# KiCad board AnalogFNN.kicad_pcb
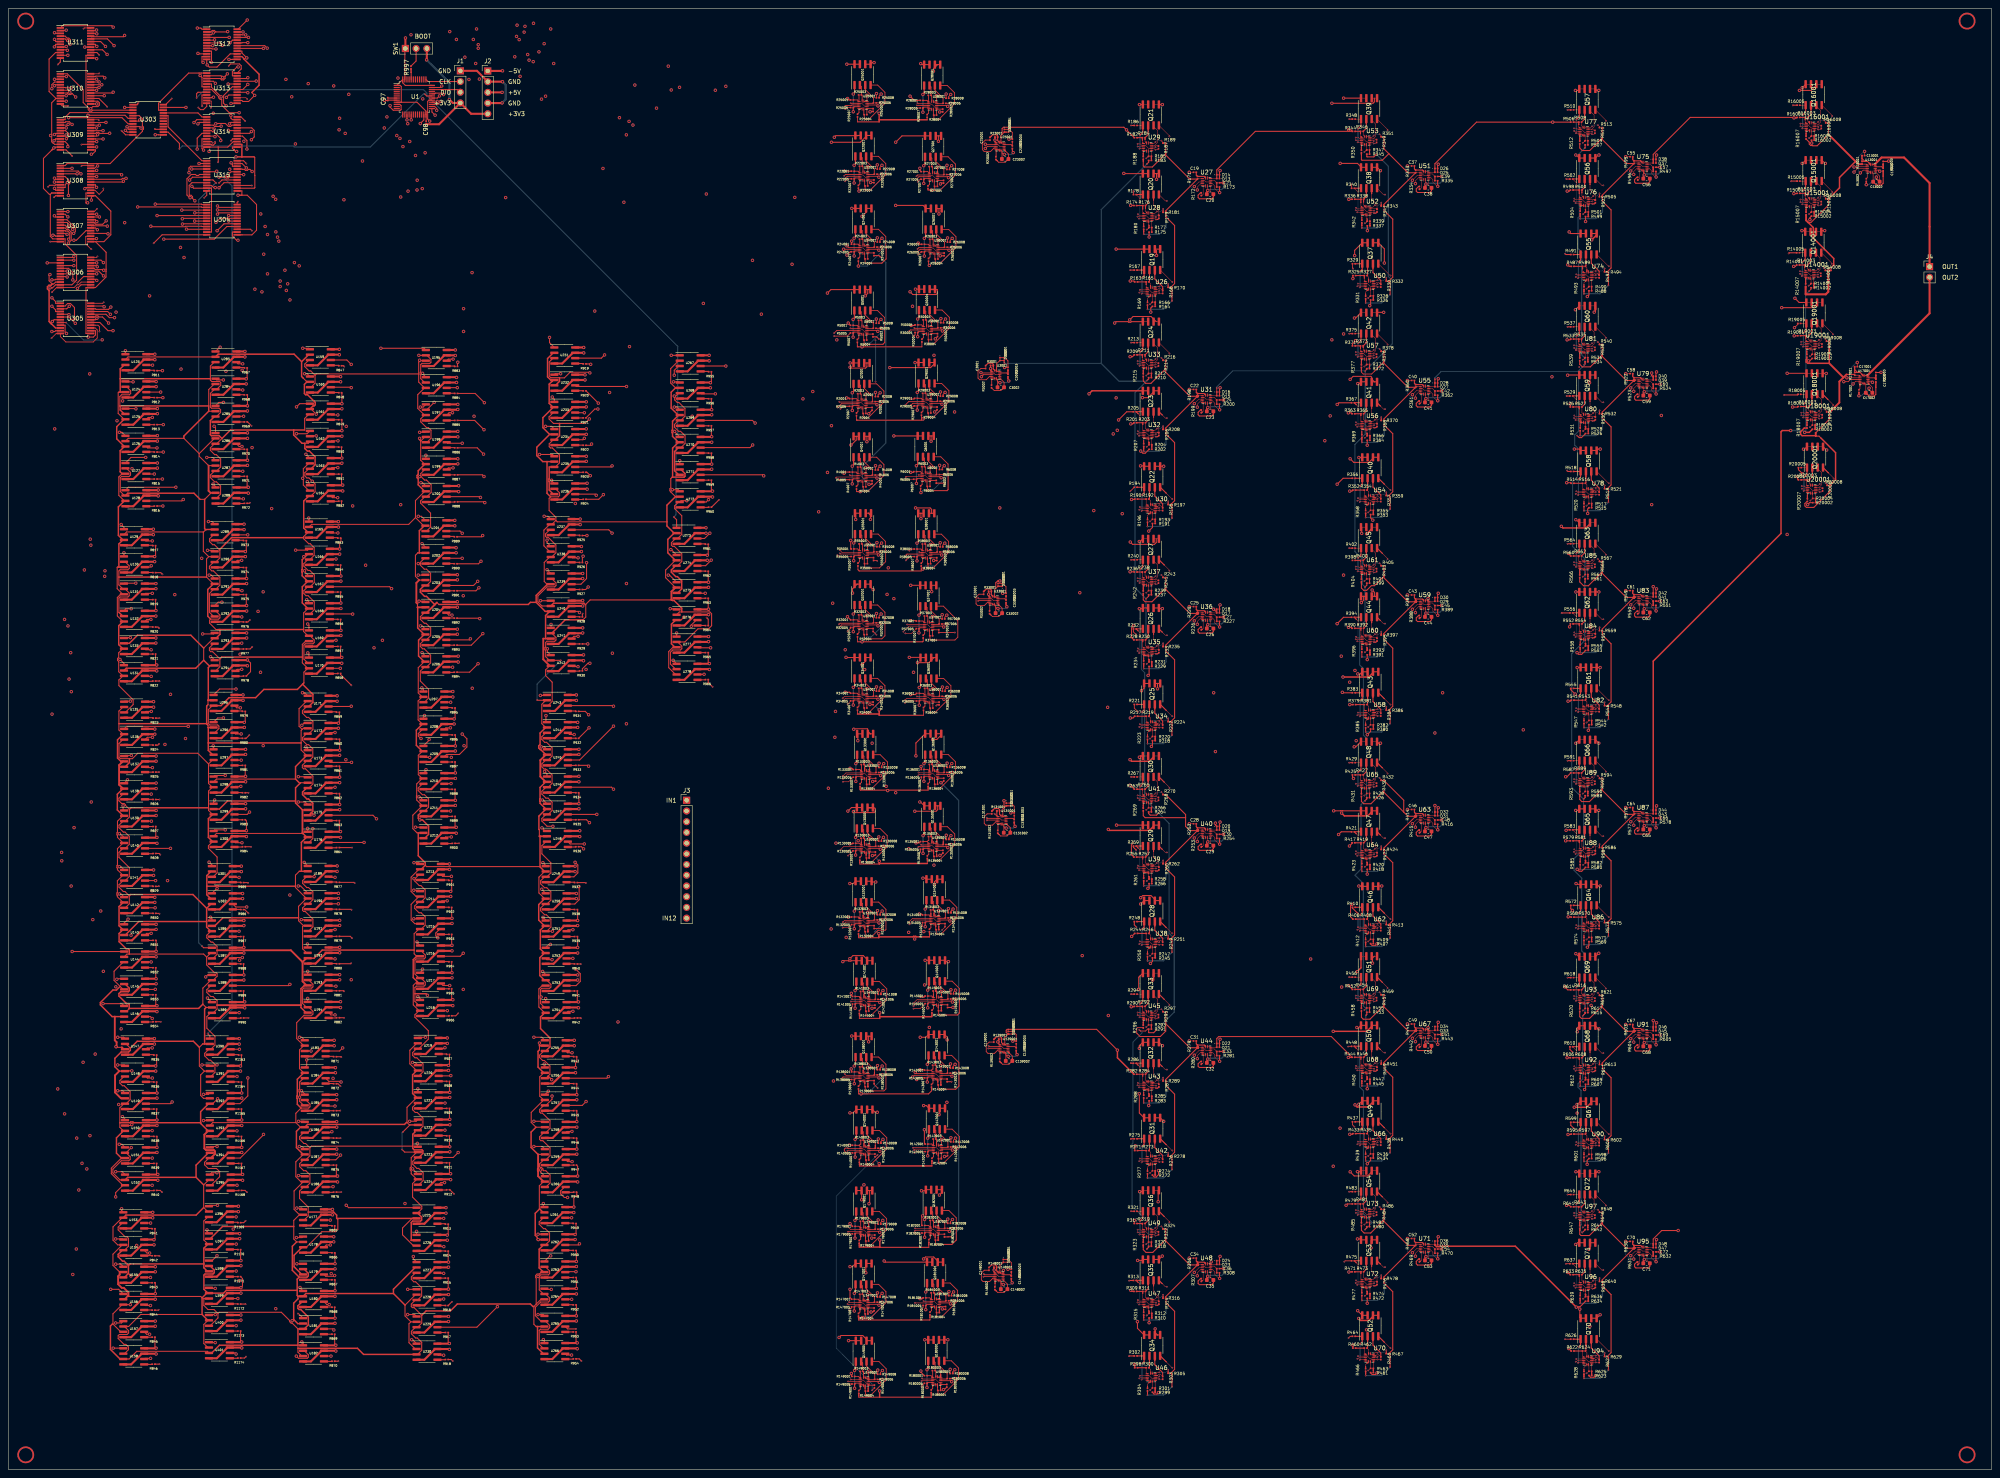
[diagram p0: board, top side]
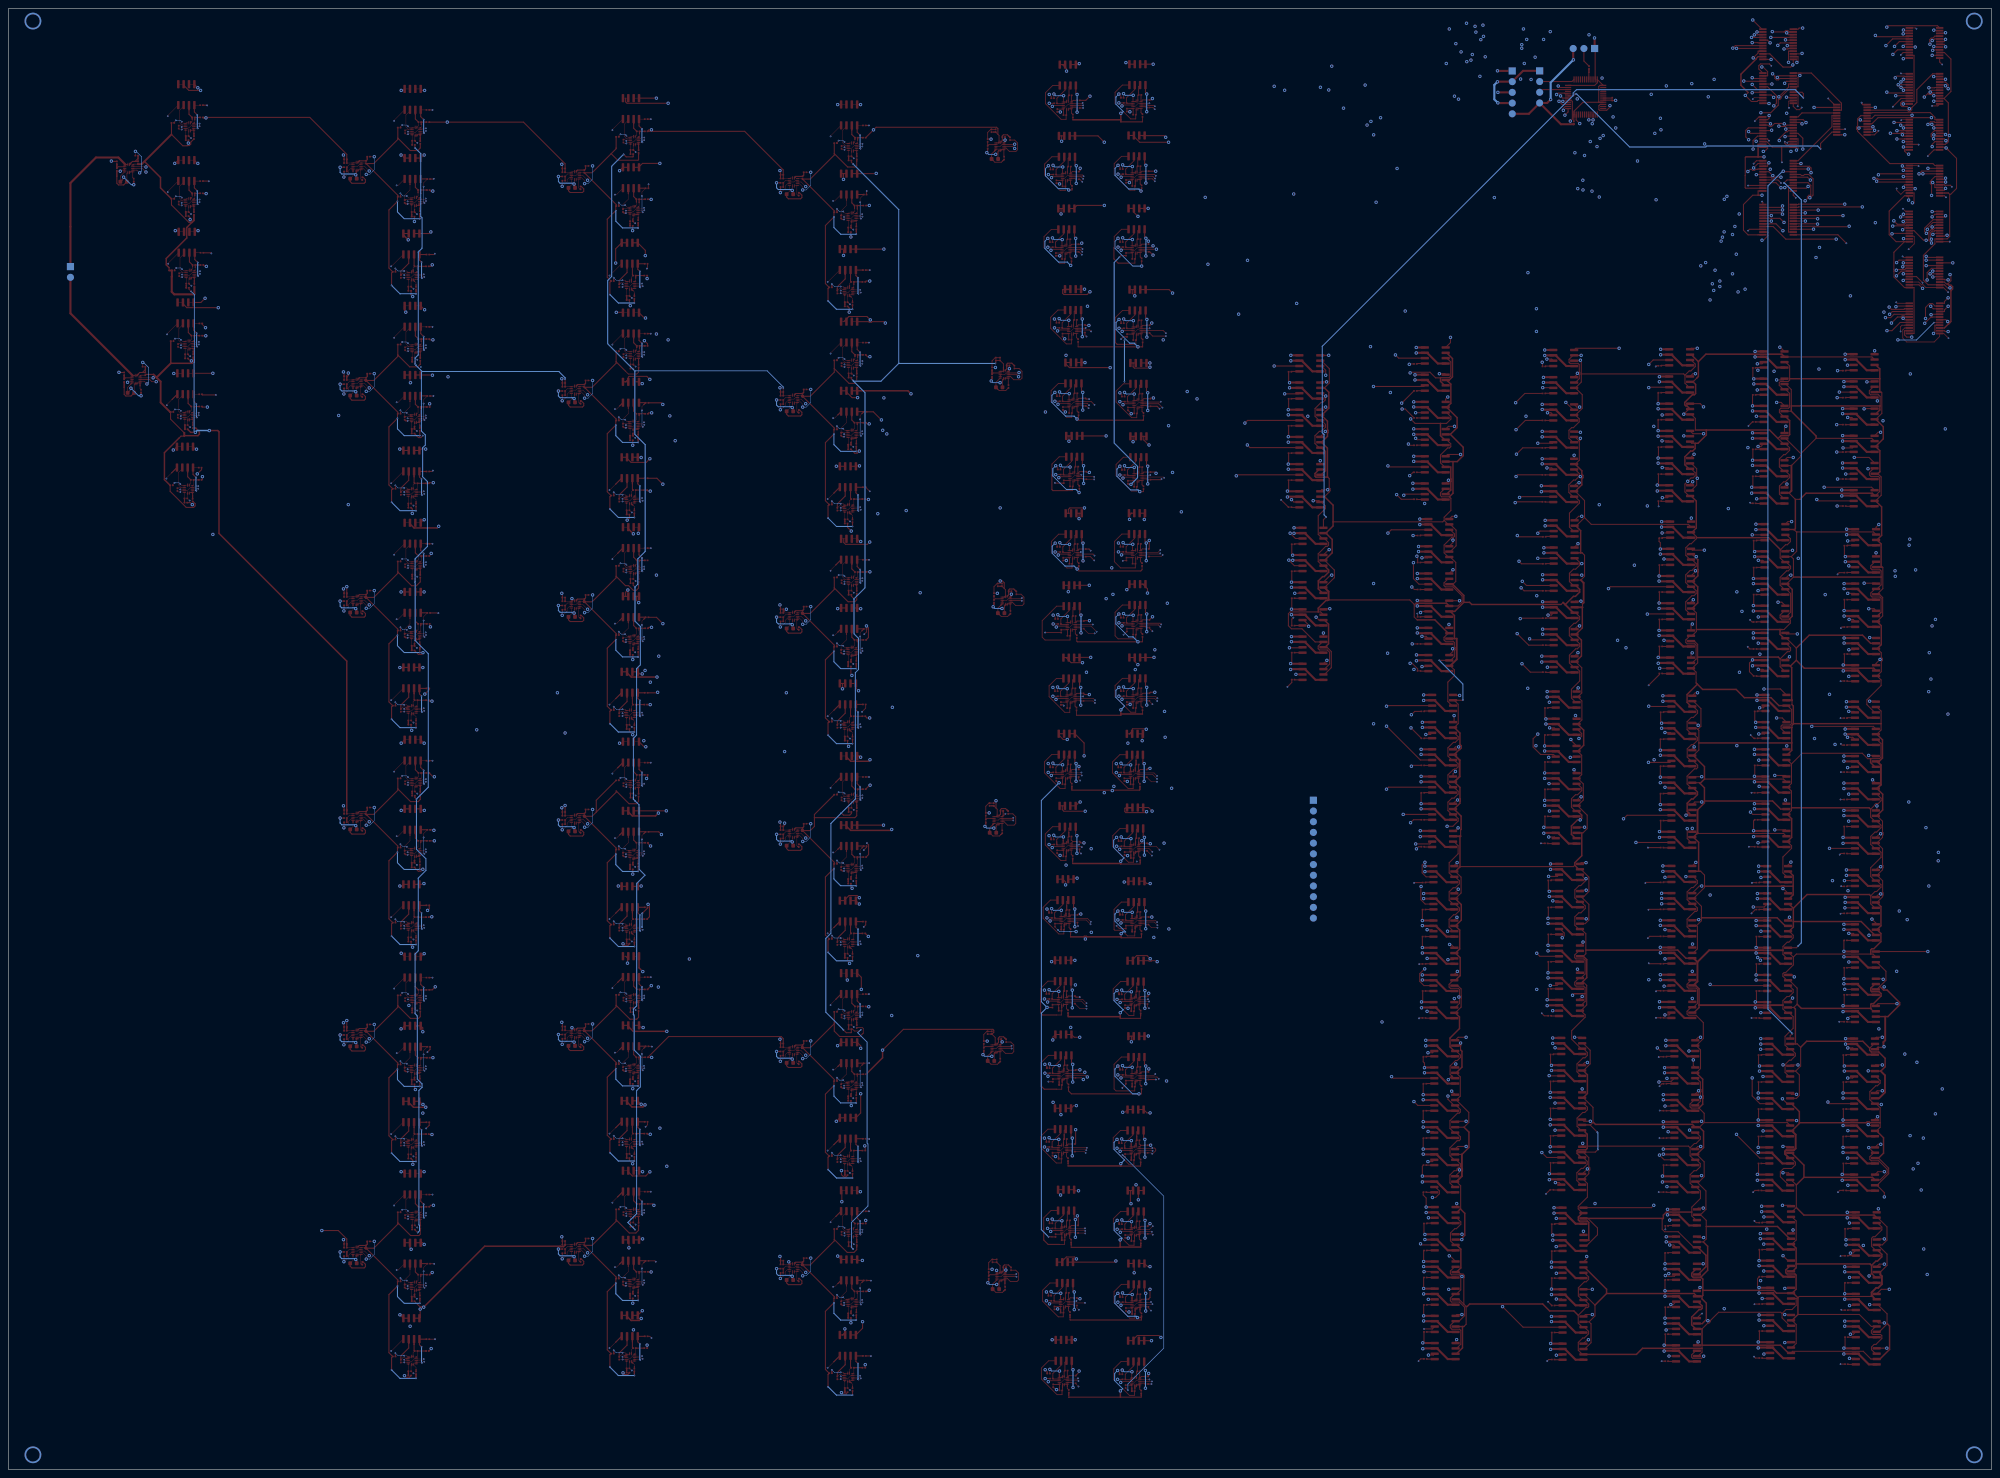
[diagram p1: board, bottom side, seen from below]

Outline 470 x 346.5 mm; copper layers: Top, In1.Cu, 5V_In2.Cu (plane), GND_In3.Cu (plane), Neg5V_In4.Cu (plane), In2.Cu, In3.Cu, In4.Cu, In5.Cu, Bottom. Coordinates in mm from the lower left corner of the outline.
Outline path: rectangle 0,346.5 470,0
Stack: Top 0.035mm / dielectric 0.1mm FR4 er 4.5 / In1.Cu 0.035mm / dielectric 0.1825mm FR4 er 4.5 / 5V_In2.Cu 0.035mm / dielectric 0.1mm FR4 er 4.5 / GND_In3.Cu 0.035mm / dielectric 0.1825mm FR4 er 4.5 / Neg5V_In4.Cu 0.035mm / dielectric 0.1mm FR4 er 4.5 / In2.Cu 0.035mm / dielectric 0.1825mm FR4 er 4.5 / In3.Cu 0.035mm / dielectric 0.1mm FR4 er 4.5 / In4.Cu 0.035mm / dielectric 0.1825mm FR4 er 4.5 / In5.Cu 0.035mm / dielectric 0.1mm FR4 er 4.5 / Bottom 0.035mm

## Placement (name value [footprint] x y rotation side)
C19  4.7u  [C_0201_0603Metric]  281.19 307.65 180 top
C20  47u  [C_0603_1608Metric]  284.79 302.45 180 top
C21  0.1u  [C_0201_0603Metric]  286.69 305.15 180 top
C22  4.7u  [C_0201_0603Metric]  281.19 256.15 180 top
C23  47u  [C_0603_1608Metric]  284.79 250.95 180 top
C24  0.1u  [C_0201_0603Metric]  286.69 253.65 180 top
C25  4.7u  [C_0201_0603Metric]  281.19 204.65 180 top
C26  47u  [C_0603_1608Metric]  284.79 199.45 180 top
C27  0.1u  [C_0201_0603Metric]  286.69 202.15 180 top
C28  4.7u  [C_0201_0603Metric]  281.19 153.15 180 top
C29  47u  [C_0603_1608Metric]  284.79 147.95 180 top
C30  0.1u  [C_0201_0603Metric]  286.69 150.65 180 top
C31  4.7u  [C_0201_0603Metric]  281.19 101.65 180 top
C32  47u  [C_0603_1608Metric]  284.79 96.45 180 top
C33  0.1u  [C_0201_0603Metric]  286.69 99.15 180 top
C34  4.7u  [C_0201_0603Metric]  281.19 50.15 180 top
C35  47u  [C_0603_1608Metric]  284.79 44.95 180 top
C36  0.1u  [C_0201_0603Metric]  286.69 47.65 180 top
C37  4.7u  [C_0201_0603Metric]  332.89 309.15 180 top
C38  47u  [C_0603_1608Metric]  336.49 303.95 180 top
C39  0.1u  [C_0201_0603Metric]  338.39 306.65 180 top
C40  4.7u  [C_0201_0603Metric]  332.89 258.28 180 top
C41  47u  [C_0603_1608Metric]  336.49 253.08 180 top
C42  0.1u  [C_0201_0603Metric]  338.39 255.78 180 top
C43  4.7u  [C_0201_0603Metric]  332.89 207.41 180 top
C44  47u  [C_0603_1608Metric]  336.49 202.21 180 top
C45  0.1u  [C_0201_0603Metric]  338.39 204.91 180 top
C46  4.7u  [C_0201_0603Metric]  332.89 156.54 180 top
C47  47u  [C_0603_1608Metric]  336.49 151.34 180 top
C48  0.1u  [C_0201_0603Metric]  338.39 154.04 180 top
C49  4.7u  [C_0201_0603Metric]  332.89 105.67 180 top
C50  47u  [C_0603_1608Metric]  336.49 100.47 180 top
C51  0.1u  [C_0201_0603Metric]  338.39 103.17 180 top
C52  4.7u  [C_0201_0603Metric]  332.89 54.8 180 top
C53  47u  [C_0603_1608Metric]  336.49 49.6 180 top
C54  0.1u  [C_0201_0603Metric]  338.39 52.3 180 top
C55  4.7u  [C_0201_0603Metric]  384.64 311.34 180 top
C56  47u  [C_0603_1608Metric]  388.24 306.14 180 top
C57  0.1u  [C_0201_0603Metric]  390.14 308.84 180 top
C58  4.7u  [C_0201_0603Metric]  384.64 259.89 180 top
C59  47u  [C_0603_1608Metric]  388.24 254.69 180 top
C60  0.1u  [C_0201_0603Metric]  390.14 257.39 180 top
C61  4.7u  [C_0201_0603Metric]  384.64 208.45 180 top
C62  47u  [C_0603_1608Metric]  388.24 203.25 180 top
C63  0.1u  [C_0201_0603Metric]  390.14 205.95 180 top
C64  4.7u  [C_0201_0603Metric]  384.64 157.01 180 top
C65  47u  [C_0603_1608Metric]  388.24 151.81 180 top
C66  0.1u  [C_0201_0603Metric]  390.14 154.51 180 top
C67  4.7u  [C_0201_0603Metric]  384.64 105.56 180 top
C68  47u  [C_0603_1608Metric]  388.24 100.36 180 top
C69  0.1u  [C_0201_0603Metric]  390.14 103.06 180 top
C70  4.7u  [C_0201_0603Metric]  384.64 54.12 180 top
C71  47u  [C_0603_1608Metric]  388.24 48.92 180 top
C72  0.1u  [C_0201_0603Metric]  390.14 51.62 180 top
C97  0.1u  [C_0201_0603Metric]  89.9 325 90 top
C98  0.1u  [C_0201_0603Metric]  99 319.4 270 top
C3001  4.7u  [C_0201_0603Metric]  231.59 261.45 270 top
C3002  47u  [C_0603_1608Metric]  235.19 256.65 180 top
C3003  0.1u  [C_0201_0603Metric]  236.89 259.45 90 top
C13001  4.7u  [C_0201_0603Metric]  439.61 311.6 0 top
C13002  47u  [C_0603_1608Metric]  442.71 305.4 180 top
C13003  0.1u  [C_0201_0603Metric]  444.31 308.3 90 top
C17001  4.7u  [C_0201_0603Metric]  437.87 261.54 0 top
C17002  47u  [C_0603_1608Metric]  440.97 255.34 180 top
C17003  0.1u  [C_0201_0603Metric]  442.57 258.24 90 top
C23001  4.7u  [C_0201_0603Metric]  232.63 315.6 270 top
C23002  47u  [C_0603_1608Metric]  236.23 310.8 180 top
C23003  0.1u  [C_0201_0603Metric]  237.93 313.6 90 top
C33001  4.7u  [C_0201_0603Metric]  231.13 207.9 270 top
C33002  47u  [C_0603_1608Metric]  234.73 203.1 180 top
C33003  0.1u  [C_0201_0603Metric]  236.43 205.9 90 top
C131001  4.7u  [C_0201_0603Metric]  233.07 155.82 270 top
C131002  47u  [C_0603_1608Metric]  236.67 151.03 180 top
C131003  0.1u  [C_0201_0603Metric]  238.37 153.82 90 top
C139001  4.7u  [C_0201_0603Metric]  233.54 101.7 270 top
C139002  47u  [C_0603_1608Metric]  237.14 96.9 180 top
C139003  0.1u  [C_0201_0603Metric]  238.84 99.7 90 top
C148001  4.7u  [C_0201_0603Metric]  232.38 47.59 270 top
C148002  47u  [C_0603_1608Metric]  235.98 42.79 180 top
C148003  0.1u  [C_0201_0603Metric]  237.68 45.59 90 top
D13  D  [D_0201_0603Metric]  286.69 306.15 180 top
D14  D  [D_0201_0603Metric]  286.69 307.05 0 top
D15  D  [D_0201_0603Metric]  286.69 254.65 180 top
D16  D  [D_0201_0603Metric]  286.69 255.55 0 top
D17  D  [D_0201_0603Metric]  286.69 203.15 180 top
D18  D  [D_0201_0603Metric]  286.69 204.05 0 top
D19  D  [D_0201_0603Metric]  286.69 151.65 180 top
D20  D  [D_0201_0603Metric]  286.69 152.55 0 top
D21  D  [D_0201_0603Metric]  286.69 100.15 180 top
D22  D  [D_0201_0603Metric]  286.69 101.05 0 top
D23  D  [D_0201_0603Metric]  286.69 48.65 180 top
D24  D  [D_0201_0603Metric]  286.69 49.55 0 top
D25  D  [D_0201_0603Metric]  338.39 307.65 180 top
D26  D  [D_0201_0603Metric]  338.39 308.55 0 top
D27  D  [D_0201_0603Metric]  338.39 256.78 180 top
D28  D  [D_0201_0603Metric]  338.39 257.68 0 top
D29  D  [D_0201_0603Metric]  338.39 205.91 180 top
D30  D  [D_0201_0603Metric]  338.39 206.81 0 top
D31  D  [D_0201_0603Metric]  338.39 155.04 180 top
D32  D  [D_0201_0603Metric]  338.39 155.94 0 top
D33  D  [D_0201_0603Metric]  338.39 104.17 180 top
D34  D  [D_0201_0603Metric]  338.39 105.07 0 top
D35  D  [D_0201_0603Metric]  338.39 53.3 180 top
D36  D  [D_0201_0603Metric]  338.39 54.2 0 top
D37  D  [D_0201_0603Metric]  390.14 309.84 180 top
D38  D  [D_0201_0603Metric]  390.14 310.74 0 top
D39  D  [D_0201_0603Metric]  390.14 258.39 180 top
D40  D  [D_0201_0603Metric]  390.14 259.29 0 top
D41  D  [D_0201_0603Metric]  390.14 206.95 180 top
D42  D  [D_0201_0603Metric]  390.14 207.85 0 top
D43  D  [D_0201_0603Metric]  390.14 155.51 180 top
D44  D  [D_0201_0603Metric]  390.14 156.41 0 top
D45  D  [D_0201_0603Metric]  390.14 104.06 180 top
D46  D  [D_0201_0603Metric]  390.14 104.96 0 top
D47  D  [D_0201_0603Metric]  390.14 52.62 180 top
D48  D  [D_0201_0603Metric]  390.14 53.52 0 top
D3001  D  [D_0201_0603Metric]  234.99 263.35 270 top
D3002  D  [D_0201_0603Metric]  235.99 263.35 90 top
D23001  D  [D_0201_0603Metric]  236.03 317.5 270 top
D23002  D  [D_0201_0603Metric]  237.03 317.5 90 top
D33001  D  [D_0201_0603Metric]  234.53 209.8 270 top
D33002  D  [D_0201_0603Metric]  235.53 209.8 90 top
D131001  D  [D_0201_0603Metric]  236.47 157.72 270 top
D131002  D  [D_0201_0603Metric]  237.47 157.72 90 top
D139001  D  [D_0201_0603Metric]  236.94 103.6 270 top
D139002  D  [D_0201_0603Metric]  237.94 103.6 90 top
D148001  D  [D_0201_0603Metric]  235.78 49.49 270 top
D148002  D  [D_0201_0603Metric]  236.78 49.49 90 top
J1  Conn_01x04_Male  [PinHeader_1x04_P2.54mm_Vertical]  107.1 331.7 0 top
J2  Conn_01x05_Male  [PinHeader_1x05_P2.54mm_Vertical]  113.6 331.68 0 top
J3  Conn_01x12_Male  [PinHeader_1x12_P2.54mm_Vertical]  160.72 158.72 0 top
J4  Conn_01x02_Male  [PinHeader_1x02_P2.54mm_Vertical]  455.31 285.27 0 top
Q19  IRF7324  [SOIC-8_3.9x4.9mm_P1.27mm]  271.06 286.95 90 top
Q20  IRF7324  [SOIC-8_3.9x4.9mm_P1.27mm]  270.76 304.85 90 top
Q21  IRF7324  [SOIC-8_3.9x4.9mm_P1.27mm]  270.76 321.25 90 top
Q22  IRF7324  [SOIC-8_3.9x4.9mm_P1.27mm]  271.06 235.45 90 top
Q23  IRF7324  [SOIC-8_3.9x4.9mm_P1.27mm]  270.76 253.35 90 top
Q24  IRF7324  [SOIC-8_3.9x4.9mm_P1.27mm]  270.76 269.75 90 top
Q25  IRF7324  [SOIC-8_3.9x4.9mm_P1.27mm]  271.06 183.95 90 top
Q26  IRF7324  [SOIC-8_3.9x4.9mm_P1.27mm]  270.76 201.85 90 top
Q27  IRF7324  [SOIC-8_3.9x4.9mm_P1.27mm]  270.76 218.25 90 top
Q28  IRF7324  [SOIC-8_3.9x4.9mm_P1.27mm]  271.06 132.45 90 top
Q29  IRF7324  [SOIC-8_3.9x4.9mm_P1.27mm]  270.76 150.35 90 top
Q30  IRF7324  [SOIC-8_3.9x4.9mm_P1.27mm]  270.76 166.75 90 top
Q31  IRF7324  [SOIC-8_3.9x4.9mm_P1.27mm]  271.06 80.95 90 top
Q32  IRF7324  [SOIC-8_3.9x4.9mm_P1.27mm]  270.76 98.85 90 top
Q33  IRF7324  [SOIC-8_3.9x4.9mm_P1.27mm]  270.76 115.25 90 top
Q34  IRF7324  [SOIC-8_3.9x4.9mm_P1.27mm]  271.06 29.45 90 top
Q35  IRF7324  [SOIC-8_3.9x4.9mm_P1.27mm]  270.76 47.35 90 top
Q36  IRF7324  [SOIC-8_3.9x4.9mm_P1.27mm]  270.76 63.75 90 top
Q37  IRF7324  [SOIC-8_3.9x4.9mm_P1.27mm]  322.76 288.45 90 top
Q38  IRF7324  [SOIC-8_3.9x4.9mm_P1.27mm]  322.46 306.35 90 top
Q39  IRF7324  [SOIC-8_3.9x4.9mm_P1.27mm]  322.46 322.75 90 top
Q40  IRF7324  [SOIC-8_3.9x4.9mm_P1.27mm]  322.76 237.58 90 top
Q41  IRF7324  [SOIC-8_3.9x4.9mm_P1.27mm]  322.46 255.48 90 top
Q42  IRF7324  [SOIC-8_3.9x4.9mm_P1.27mm]  322.46 271.88 90 top
Q43  IRF7324  [SOIC-8_3.9x4.9mm_P1.27mm]  322.76 186.71 90 top
Q44  IRF7324  [SOIC-8_3.9x4.9mm_P1.27mm]  322.46 204.61 90 top
Q45  IRF7324  [SOIC-8_3.9x4.9mm_P1.27mm]  322.46 221.01 90 top
Q46  IRF7324  [SOIC-8_3.9x4.9mm_P1.27mm]  322.76 135.84 90 top
Q47  IRF7324  [SOIC-8_3.9x4.9mm_P1.27mm]  322.46 153.74 90 top
Q48  IRF7324  [SOIC-8_3.9x4.9mm_P1.27mm]  322.46 170.14 90 top
Q49  IRF7324  [SOIC-8_3.9x4.9mm_P1.27mm]  322.76 84.97 90 top
Q50  IRF7324  [SOIC-8_3.9x4.9mm_P1.27mm]  322.46 102.87 90 top
Q51  IRF7324  [SOIC-8_3.9x4.9mm_P1.27mm]  322.46 119.27 90 top
Q52  IRF7324  [SOIC-8_3.9x4.9mm_P1.27mm]  322.76 34.1 90 top
Q53  IRF7324  [SOIC-8_3.9x4.9mm_P1.27mm]  322.46 52 90 top
Q54  IRF7324  [SOIC-8_3.9x4.9mm_P1.27mm]  322.46 68.4 90 top
Q55  IRF7324  [SOIC-8_3.9x4.9mm_P1.27mm]  374.5 290.64 90 top
Q56  IRF7324  [SOIC-8_3.9x4.9mm_P1.27mm]  374.2 308.54 90 top
Q57  IRF7324  [SOIC-8_3.9x4.9mm_P1.27mm]  374.2 324.94 90 top
Q58  IRF7324  [SOIC-8_3.9x4.9mm_P1.27mm]  374.5 239.19 90 top
Q59  IRF7324  [SOIC-8_3.9x4.9mm_P1.27mm]  374.2 257.09 90 top
Q60  IRF7324  [SOIC-8_3.9x4.9mm_P1.27mm]  374.2 273.49 90 top
Q61  IRF7324  [SOIC-8_3.9x4.9mm_P1.27mm]  374.5 187.75 90 top
Q62  IRF7324  [SOIC-8_3.9x4.9mm_P1.27mm]  374.2 205.65 90 top
Q63  IRF7324  [SOIC-8_3.9x4.9mm_P1.27mm]  374.2 222.05 90 top
Q64  IRF7324  [SOIC-8_3.9x4.9mm_P1.27mm]  374.5 136.31 90 top
Q65  IRF7324  [SOIC-8_3.9x4.9mm_P1.27mm]  374.2 154.21 90 top
Q66  IRF7324  [SOIC-8_3.9x4.9mm_P1.27mm]  374.2 170.61 90 top
Q67  IRF7324  [SOIC-8_3.9x4.9mm_P1.27mm]  374.5 84.86 90 top
Q68  IRF7324  [SOIC-8_3.9x4.9mm_P1.27mm]  374.2 102.76 90 top
Q69  IRF7324  [SOIC-8_3.9x4.9mm_P1.27mm]  374.2 119.16 90 top
Q70  IRF7324  [SOIC-8_3.9x4.9mm_P1.27mm]  374.5 33.42 90 top
Q71  IRF7324  [SOIC-8_3.9x4.9mm_P1.27mm]  374.2 51.32 90 top
Q72  IRF7324  [SOIC-8_3.9x4.9mm_P1.27mm]  374.2 67.72 90 top
Q2001  IRF7324  [SOIC-8_3.9x4.9mm_P1.27mm]  202.19 259.95 90 top
Q4001  IRF7324  [SOIC-8_3.9x4.9mm_P1.27mm]  202.19 242.55 90 top
Q5001  IRF7324  [SOIC-8_3.9x4.9mm_P1.27mm]  202.39 277.35 90 top
Q6001  IRF7324  [SOIC-8_3.9x4.9mm_P1.27mm]  217.39 242.65 90 top
Q14001  IRF7324  [SOIC-8_3.9x4.9mm_P1.27mm]  427.74 291.05 90 top
Q15001  IRF7324  [SOIC-8_3.9x4.9mm_P1.27mm]  427.84 308.05 90 top
Q16001  IRF7324  [SOIC-8_3.9x4.9mm_P1.27mm]  427.84 326.05 90 top
Q18001  IRF7324  [SOIC-8_3.9x4.9mm_P1.27mm]  428.06 257.5 90 top
Q19001  IRF7324  [SOIC-8_3.9x4.9mm_P1.27mm]  428.01 274.3 90 top
Q20001  IRF7324  [SOIC-8_3.9x4.9mm_P1.27mm]  428.16 240.1 90 top
Q22001  IRF7324  [SOIC-8_3.9x4.9mm_P1.27mm]  202.63 313.9 90 top
Q24001  IRF7324  [SOIC-8_3.9x4.9mm_P1.27mm]  202.63 296.6 90 top
Q25001  IRF7324  [SOIC-8_3.9x4.9mm_P1.27mm]  202.43 330.8 90 top
Q26001  IRF7324  [SOIC-8_3.9x4.9mm_P1.27mm]  219.26 296.57 90 top
Q27001  IRF7324  [SOIC-8_3.9x4.9mm_P1.27mm]  219.13 313.8 90 top
Q28001  IRF7324  [SOIC-8_3.9x4.9mm_P1.27mm]  218.93 330.7 90 top
Q29001  IRF7324  [SOIC-8_3.9x4.9mm_P1.27mm]  217.59 260.05 90 top
Q30001  IRF7324  [SOIC-8_3.9x4.9mm_P1.27mm]  217.69 277.45 90 top
Q32001  IRF7324  [SOIC-8_3.9x4.9mm_P1.27mm]  202.43 207.5 90 top
Q34001  IRF7324  [SOIC-8_3.9x4.9mm_P1.27mm]  202.43 190.1 90 top
Q35001  IRF7324  [SOIC-8_3.9x4.9mm_P1.27mm]  202.53 224.32 90 top
Q36001  IRF7324  [SOIC-8_3.9x4.9mm_P1.27mm]  218.06 190.07 90 top
Q37001  IRF7324  [SOIC-8_3.9x4.9mm_P1.27mm]  218 207.22 90 top
Q38001  IRF7324  [SOIC-8_3.9x4.9mm_P1.27mm]  217.53 224.3 90 top
Q130001  IRF7324  [SOIC-8_3.9x4.9mm_P1.27mm]  202.97 154.53 90 top
Q132001  IRF7324  [SOIC-8_3.9x4.9mm_P1.27mm]  202.67 137.05 90 top
Q133001  IRF7324  [SOIC-8_3.9x4.9mm_P1.27mm]  203.04 172 90 top
Q134001  IRF7324  [SOIC-8_3.9x4.9mm_P1.27mm]  219.47 137.53 90 top
Q135001  IRF7324  [SOIC-8_3.9x4.9mm_P1.27mm]  218.97 154.93 90 top
Q136001  IRF7324  [SOIC-8_3.9x4.9mm_P1.27mm]  219.17 172.03 90 top
Q138001  IRF7324  [SOIC-8_3.9x4.9mm_P1.27mm]  202.67 100.3 90 top
Q140001  IRF7324  [SOIC-8_3.9x4.9mm_P1.27mm]  202.87 82.9 90 top
Q141001  IRF7324  [SOIC-8_3.9x4.9mm_P1.27mm]  202.87 118.2 90 top
Q142001  IRF7324  [SOIC-8_3.9x4.9mm_P1.27mm]  220.07 83.2 90 top
Q143001  IRF7324  [SOIC-8_3.9x4.9mm_P1.27mm]  219.97 100.7 90 top
Q145001  IRF7324  [SOIC-8_3.9x4.9mm_P1.27mm]  220.07 118.3 90 top
Q147001  IRF7324  [SOIC-8_3.9x4.9mm_P1.27mm]  202.67 46.39 90 top
Q149001  IRF7324  [SOIC-8_3.9x4.9mm_P1.27mm]  202.73 28.09 90 top
Q179001  IRF7324  [SOIC-8_3.9x4.9mm_P1.27mm]  202.83 63.69 90 top
Q180001  IRF7324  [SOIC-8_3.9x4.9mm_P1.27mm]  219.9 28.27 90 top
Q181001  IRF7324  [SOIC-8_3.9x4.9mm_P1.27mm]  219.6 46.72 90 top
Q182001  IRF7324  [SOIC-8_3.9x4.9mm_P1.27mm]  219.33 63.89 90 top
R163  1k  [R_0201_0603Metric]  267.26 281.65 0 top
R164  1k  [R_0201_0603Metric]  271.46 275.85 0 top
R165  1k  [R_0201_0603Metric]  269.96 281.65 0 top
R166  1k  [R_0201_0603Metric]  271.46 276.85 180 top
R167  200k  [R_0201_0603Metric]  267.16 284.45 0 top
R168  200k  [R_0201_0603Metric]  273.56 279.25 90 top
R169  1k  [R_0201_0603Metric]  269.96 276.47 270 top
R170  1k  [R_0201_0603Metric]  275.16 280.35 0 top
R171  1k  [R_0201_0603Metric]  281.79 306.35 90 top
R172  1k  [R_0201_0603Metric]  282.69 302.45 90 top
R173  100k  [R_0201_0603Metric]  286.69 304.15 0 top
R174  1k  [R_0201_0603Metric]  267.06 299.75 0 top
R175  1k  [R_0201_0603Metric]  270.66 293.45 0 top
R176  1k  [R_0201_0603Metric]  269.16 299.75 0 top
R177  1k  [R_0201_0603Metric]  270.66 294.55 180 top
R178  200k  [R_0201_0603Metric]  266.96 302.35 0 top
R179  200k  [R_0201_0603Metric]  272.66 297.05 90 top
R180  1k  [R_0201_0603Metric]  269.06 294.45 270 top
R181  1k  [R_0201_0603Metric]  273.96 298.15 0 top
R182  1k  [R_0201_0603Metric]  267.16 315.85 0 top
R183  1k  [R_0201_0603Metric]  270.56 310.45 0 top
R184  1k  [R_0201_0603Metric]  269.06 315.85 0 top
R185  1k  [R_0201_0603Metric]  270.56 311.45 180 top
R186  200k  [R_0201_0603Metric]  267.16 318.75 0 top
R187  200k  [R_0201_0603Metric]  272.56 313.55 90 top
R188  1k  [R_0201_0603Metric]  268.96 311.05 270 top
R189  1k  [R_0201_0603Metric]  273.96 314.55 0 top
R190  1k  [R_0201_0603Metric]  267.26 230.15 0 top
R191  1k  [R_0201_0603Metric]  271.46 224.35 0 top
R192  1k  [R_0201_0603Metric]  269.96 230.15 0 top
R193  1k  [R_0201_0603Metric]  271.46 225.35 180 top
R194  200k  [R_0201_0603Metric]  267.16 232.95 0 top
R195  200k  [R_0201_0603Metric]  273.56 227.75 90 top
R196  1k  [R_0201_0603Metric]  269.96 224.97 270 top
R197  1k  [R_0201_0603Metric]  275.16 228.85 0 top
R198  1k  [R_0201_0603Metric]  281.79 254.85 90 top
R199  1k  [R_0201_0603Metric]  282.69 250.95 90 top
R200  100k  [R_0201_0603Metric]  286.69 252.65 0 top
R201  1k  [R_0201_0603Metric]  267.06 248.25 0 top
R202  1k  [R_0201_0603Metric]  270.66 241.95 0 top
R203  1k  [R_0201_0603Metric]  269.16 248.25 0 top
R204  1k  [R_0201_0603Metric]  270.66 243.05 180 top
R205  200k  [R_0201_0603Metric]  266.96 250.85 0 top
R206  200k  [R_0201_0603Metric]  272.66 245.55 90 top
R207  1k  [R_0201_0603Metric]  269.06 242.95 270 top
R208  1k  [R_0201_0603Metric]  273.96 246.65 0 top
R209  1k  [R_0201_0603Metric]  267.16 264.35 0 top
R210  1k  [R_0201_0603Metric]  270.56 258.95 0 top
R211  1k  [R_0201_0603Metric]  269.06 264.35 0 top
R212  1k  [R_0201_0603Metric]  270.56 259.95 180 top
R213  200k  [R_0201_0603Metric]  267.16 267.25 0 top
R214  200k  [R_0201_0603Metric]  272.56 262.05 90 top
R215  1k  [R_0201_0603Metric]  268.96 259.55 270 top
R216  1k  [R_0201_0603Metric]  273.96 263.05 0 top
R217  1k  [R_0201_0603Metric]  267.26 178.65 0 top
R218  1k  [R_0201_0603Metric]  271.46 172.85 0 top
R219  1k  [R_0201_0603Metric]  269.96 178.65 0 top
R220  1k  [R_0201_0603Metric]  271.46 173.85 180 top
R221  200k  [R_0201_0603Metric]  267.16 181.45 0 top
R222  200k  [R_0201_0603Metric]  273.56 176.25 90 top
R223  1k  [R_0201_0603Metric]  269.96 173.47 270 top
R224  1k  [R_0201_0603Metric]  275.16 177.35 0 top
R225  1k  [R_0201_0603Metric]  281.79 203.35 90 top
R226  1k  [R_0201_0603Metric]  282.69 199.45 90 top
R227  100k  [R_0201_0603Metric]  286.69 201.15 0 top
R228  1k  [R_0201_0603Metric]  267.06 196.75 0 top
R229  1k  [R_0201_0603Metric]  270.66 190.45 0 top
R230  1k  [R_0201_0603Metric]  269.16 196.75 0 top
R231  1k  [R_0201_0603Metric]  270.66 191.55 180 top
R232  200k  [R_0201_0603Metric]  266.96 199.35 0 top
R233  200k  [R_0201_0603Metric]  272.66 194.05 90 top
R234  1k  [R_0201_0603Metric]  269.06 191.45 270 top
R235  1k  [R_0201_0603Metric]  273.96 195.15 0 top
R236  1k  [R_0201_0603Metric]  267.16 212.85 0 top
R237  1k  [R_0201_0603Metric]  270.56 207.45 0 top
R238  1k  [R_0201_0603Metric]  269.06 212.85 0 top
R239  1k  [R_0201_0603Metric]  270.56 208.45 180 top
R240  200k  [R_0201_0603Metric]  267.16 215.75 0 top
R241  200k  [R_0201_0603Metric]  272.56 210.55 90 top
R242  1k  [R_0201_0603Metric]  268.96 208.05 270 top
R243  1k  [R_0201_0603Metric]  273.96 211.55 0 top
R244  1k  [R_0201_0603Metric]  267.26 127.15 0 top
R245  1k  [R_0201_0603Metric]  271.46 121.35 0 top
R246  1k  [R_0201_0603Metric]  269.96 127.15 0 top
R247  1k  [R_0201_0603Metric]  271.46 122.35 180 top
R248  200k  [R_0201_0603Metric]  267.16 129.95 0 top
R249  200k  [R_0201_0603Metric]  273.56 124.75 90 top
R250  1k  [R_0201_0603Metric]  269.96 121.97 270 top
R251  1k  [R_0201_0603Metric]  275.16 125.85 0 top
R252  1k  [R_0201_0603Metric]  281.79 151.85 90 top
R253  1k  [R_0201_0603Metric]  282.69 147.95 90 top
R254  100k  [R_0201_0603Metric]  286.69 149.65 0 top
R255  1k  [R_0201_0603Metric]  267.06 145.25 0 top